# KiCad board ADC_Test.kicad_pcb (continued)
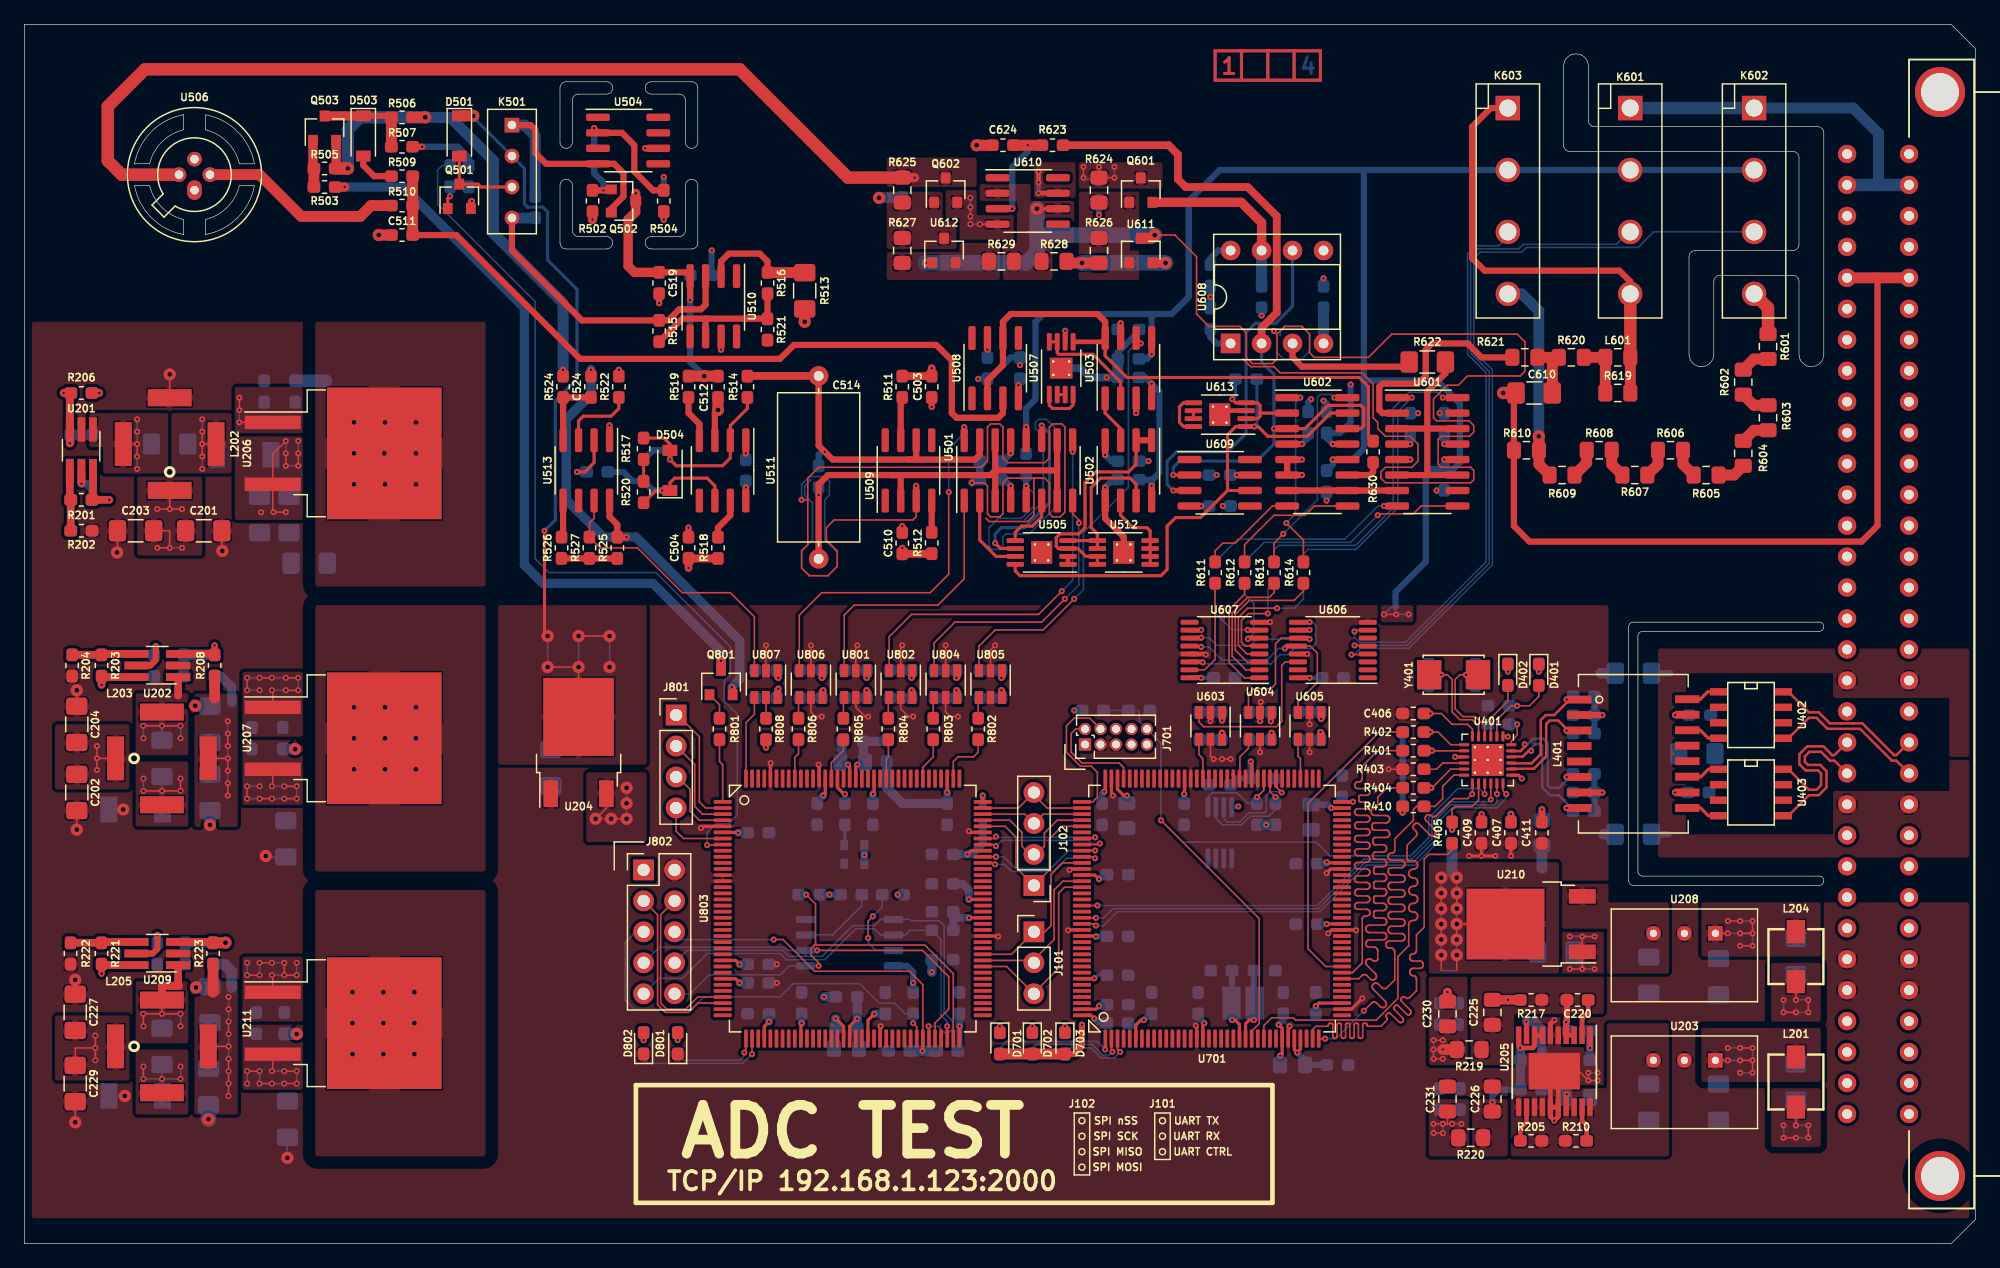
[diagram p0: board, top side]
## Placement (name value [footprint] x y rotation side) (continued)
R409  10k  [R_0603_1608Metric_Pad1.05x0.95mm_HandSolder]  117.07 33.7 90 bottom
R410  1k5  [R_0603_1608Metric_Pad1.05x0.95mm_HandSolder]  113.9 35.86 0 top
R411  10k  [R_0603_1608Metric_Pad1.05x0.95mm_HandSolder]  120.88 44.11 180 bottom
R412  12k1  [R_0603_1608Metric_Pad1.05x0.95mm_HandSolder]  120.88 42.59 0 bottom
R413  270  [R_0603_1608Metric_Pad1.05x0.95mm_HandSolder]  124.18 46.66 270 bottom
R414  270  [R_0603_1608Metric_Pad1.05x0.95mm_HandSolder]  121.64 46.66 270 bottom
R415  49R9  [R_0603_1608Metric_Pad1.05x0.95mm_HandSolder]  127.87 44.88 180 bottom
R416  49R9  [R_0603_1608Metric_Pad1.05x0.95mm_HandSolder]  127.87 41.83 180 bottom
R417  49R9  [R_0603_1608Metric_Pad1.05x0.95mm_HandSolder]  127.87 38.53 180 bottom
R418  49R9  [R_0603_1608Metric_Pad1.05x0.95mm_HandSolder]  127.87 35.48 180 bottom
R419  1M/1kV  [R_1206_3216Metric_Pad1.42x1.75mm_HandSolder]  131.93 46.78 180 bottom
R420  75/1%  [R_0603_1608Metric_Pad1.05x0.95mm_HandSolder]  137.26 37 0 bottom
R421  75/1%  [R_0603_1608Metric_Pad1.05x0.95mm_HandSolder]  137.39 43.35 0 bottom
R501  10k  [R_0603_1608Metric_Pad1.05x0.95mm_HandSolder]  34.9 87.55 90 bottom
R502  4k7/.1%  [R_0603_1608Metric_Pad1.05x0.95mm_HandSolder]  46.59 85.52 270 top
R503  120k  [R_0603_1608Metric_Pad1.05x0.95mm_HandSolder]  24.61 86.66 0 top
R504  4k7/.1%  [R_0603_1608Metric_Pad1.05x0.95mm_HandSolder]  52.43 85.52 90 top
R505  620k  [R_0603_1608Metric_Pad1.05x0.95mm_HandSolder]  24.61 88.18 0 top
R506  0  [R_0603_1608Metric_Pad1.05x0.95mm_HandSolder]  30.97 92.38 180 top
R507  120k  [R_0603_1608Metric_Pad1.05x0.95mm_HandSolder]  30.97 89.96 0 top
R508  0  [R_0603_1608Metric_Pad1.05x0.95mm_HandSolder]  41.89 85.01 90 bottom
R509  12k  [R_0603_1608Metric_Pad1.05x0.95mm_HandSolder]  30.97 87.55 180 top
R510  62/.1%  [R_0603_1608Metric_Pad1.05x0.95mm_HandSolder]  30.97 85.14 180 top
R511  10  [R_0603_1608Metric_Pad1.05x0.95mm_HandSolder]  71.99 70.28 270 top
R512  10  [R_0603_1608Metric_Pad1.05x0.95mm_HandSolder]  74.4 57.46 270 top
R513  6k95/.05%  [R_1206_3216Metric_Pad1.42x1.75mm_HandSolder]  63.99 78.15 270 top
R514  12k/.05%  [R_0603_1608Metric_Pad1.05x0.95mm_HandSolder]  59.29 70.28 90 top
R515  3k01/.1%  [R_0603_1608Metric_Pad1.05x0.95mm_HandSolder]  52.05 74.85 90 top
R516  3k01/.1%  [R_0603_1608Metric_Pad1.05x0.95mm_HandSolder]  60.94 78.79 90 top
R517  62k  [R_0603_1608Metric_Pad1.05x0.95mm_HandSolder]  50.78 65.2 90 top
R518  10  [R_0603_1608Metric_Pad1.05x0.95mm_HandSolder]  56.87 57.07 90 top
R519  10  [R_0603_1608Metric_Pad1.05x0.95mm_HandSolder]  54.46 70.28 90 top
R520  0  [R_0603_1608Metric_Pad1.05x0.95mm_HandSolder]  50.78 61.64 90 top
R521  0  [R_0603_1608Metric_Pad1.05x0.95mm_HandSolder]  60.94 74.98 90 top
R522  620/.05%  [R_0603_1608Metric_Pad1.05x0.95mm_HandSolder]  48.75 70.28 90 top
R523  3k9/.05%  [R_0603_1608Metric_Pad1.05x0.95mm_HandSolder]  46.97 63.29 0 bottom
R524  10  [R_0603_1608Metric_Pad1.05x0.95mm_HandSolder]  44.17 70.28 90 top
R525  62/.1%  [R_0603_1608Metric_Pad1.05x0.95mm_HandSolder]  48.62 57.07 270 top
R526  39k/.05%  [R_0603_1608Metric_Pad1.05x0.95mm_HandSolder]  44.05 57.07 90 top
R527  3k9/.05%  [R_0603_1608Metric_Pad1.05x0.95mm_HandSolder]  46.33 57.07 90 top
R601  1M  [R_0805_2012Metric_Pad1.15x1.40mm_HandSolder]  142.98 73.58 90 top
R602  1M  [R_0805_2012Metric_Pad1.15x1.40mm_HandSolder]  140.95 70.66 90 top
R603  1M  [R_0805_2012Metric_Pad1.15x1.40mm_HandSolder]  142.98 67.74 90 top
R604  1M  [R_0805_2012Metric_Pad1.15x1.40mm_HandSolder]  140.95 64.82 90 top
R605  1M  [R_0805_2012Metric_Pad1.15x1.40mm_HandSolder]  137.9 63.04 0 top
R606  1M  [R_0805_2012Metric_Pad1.15x1.40mm_HandSolder]  134.98 65.07 0 top
R607  1M  [R_0805_2012Metric_Pad1.15x1.40mm_HandSolder]  132.06 63.04 0 top
R608  1M  [R_0805_2012Metric_Pad1.15x1.40mm_HandSolder]  129.14 65.07 0 top
R609  1M  [R_0805_2012Metric_Pad1.15x1.40mm_HandSolder]  126.09 63.04 0 top
R610  1M  [R_0805_2012Metric_Pad1.15x1.40mm_HandSolder]  123.17 65.07 180 top
R611  620  [R_0603_1608Metric_Pad1.05x0.95mm_HandSolder]  97.64 55.04 270 top
R612  620  [R_0603_1608Metric_Pad1.05x0.95mm_HandSolder]  100.05 55.04 270 top
R613  620  [R_0603_1608Metric_Pad1.05x0.95mm_HandSolder]  102.47 55.04 270 top
R614  620  [R_0603_1608Metric_Pad1.05x0.95mm_HandSolder]  104.88 55.04 270 top
R615  620  [R_0603_1608Metric_Pad1.05x0.95mm_HandSolder]  104.88 55.04 270 bottom
R616  620  [R_0603_1608Metric_Pad1.05x0.95mm_HandSolder]  102.47 55.04 270 bottom
R617  620  [R_0603_1608Metric_Pad1.05x0.95mm_HandSolder]  100.05 55.04 270 bottom
R618  620  [R_0603_1608Metric_Pad1.05x0.95mm_HandSolder]  97.64 55.04 270 bottom
R619  620  [R_0805_2012Metric_Pad1.15x1.40mm_HandSolder]  130.66 69.77 0 top
R620  240k/.05%  [R_0805_2012Metric_Pad1.15x1.40mm_HandSolder]  126.85 72.69 0 top
R621  240k/.05%  [R_0805_2012Metric_Pad1.15x1.40mm_HandSolder]  123.04 72.69 0 top
R622  22/.1%  [R_1206_3216Metric_Pad1.42x1.75mm_HandSolder]  115.04 72.31 0 top
R623  12k/.05%  [R_0603_1608Metric_Pad1.05x0.95mm_HandSolder]  84.31 90.09 0 top
R624  12k  [R_0805_2012Metric_Pad1.15x1.40mm_HandSolder]  88.12 86.41 270 top
R625  12k  [R_0805_2012Metric_Pad1.15x1.40mm_HandSolder]  71.99 86.41 90 top
R626  93k  [R_0805_2012Metric_Pad1.15x1.40mm_HandSolder]  88.12 81.45 90 top
R627  39k  [R_0805_2012Metric_Pad1.15x1.40mm_HandSolder]  71.99 81.45 90 top
R628  39k  [R_0805_2012Metric_Pad1.15x1.40mm_HandSolder]  84.43 80.56 180 top
R629  93k  [R_0805_2012Metric_Pad1.15x1.40mm_HandSolder]  80.11 80.56 180 top
R630  620/.05%  [R_0603_1608Metric_Pad1.05x0.95mm_HandSolder]  110.59 64.94 270 top
R701  4k7  [R_0603_1608Metric_Pad1.05x0.95mm_HandSolder]  101.07 35.22 90 bottom
R702  4k7  [R_0603_1608Metric_Pad1.05x0.95mm_HandSolder]  102.59 35.22 90 bottom
R703  10k  [R_0603_1608Metric_Pad1.05x0.95mm_HandSolder]  89.64 22.02 0 bottom
R704  680  [R_0603_1608Metric_Pad1.05x0.95mm_HandSolder]  79.99 16.43 90 bottom
R705  560  [R_0603_1608Metric_Pad1.05x0.95mm_HandSolder]  82.65 16.43 90 bottom
R706  680  [R_0603_1608Metric_Pad1.05x0.95mm_HandSolder]  85.32 16.43 90 bottom
R707  10k  [R_0603_1608Metric_Pad1.05x0.95mm_HandSolder]  87.61 43.73 0 bottom
R801  6k2  [R_0603_1608Metric_Pad1.05x0.95mm_HandSolder]  57 42.21 270 top
R802  150  [R_0603_1608Metric_Pad1.05x0.95mm_HandSolder]  78.21 42.21 90 top
R803  150  [R_0603_1608Metric_Pad1.05x0.95mm_HandSolder]  74.53 42.21 90 top
R804  150  [R_0603_1608Metric_Pad1.05x0.95mm_HandSolder]  70.84 42.21 90 top
R805  150  [R_0603_1608Metric_Pad1.05x0.95mm_HandSolder]  67.16 42.21 90 top
R806  150  [R_0603_1608Metric_Pad1.05x0.95mm_HandSolder]  63.48 42.21 90 top
R807  1k  [R_0603_1608Metric_Pad1.05x0.95mm_HandSolder]  53.57 16.43 90 bottom
R808  1k  [R_0603_1608Metric_Pad1.05x0.95mm_HandSolder]  60.81 42.21 90 top
R809  1k  [R_0603_1608Metric_Pad1.05x0.95mm_HandSolder]  50.78 16.43 90 bottom
R810  100  [R_0603_1608Metric_Pad1.05x0.95mm_HandSolder]  70.72 40.43 270 bottom
R811  22  [R_0603_1608Metric_Pad1.05x0.95mm_HandSolder]  67.29 35.22 270 bottom
R812  4k7  [R_0603_1608Metric_Pad1.05x0.95mm_HandSolder]  75.67 15.79 0 bottom
R813  4k7  [R_0603_1608Metric_Pad1.05x0.95mm_HandSolder]  67.79 28.62 180 bottom
R814  4k7  [R_0603_1608Metric_Pad1.05x0.95mm_HandSolder]  71.22 28.62 0 bottom
R815  OPT  [R_0603_1608Metric_Pad1.05x0.95mm_HandSolder]  71.73 15.79 180 bottom
R816  100  [R_0603_1608Metric_Pad1.05x0.95mm_HandSolder]  67.41 20.24 180 bottom
R817  4k7  [R_0603_1608Metric_Pad1.05x0.95mm_HandSolder]  72.88 19.73 270 bottom
R818  4k7  [R_0603_1608Metric_Pad1.05x0.95mm_HandSolder]  75.29 25.7 180 bottom
R819  4k7  [R_0603_1608Metric_Pad1.05x0.95mm_HandSolder]  64.37 28.62 180 bottom
U201  LT8330_S6  [TSOT-23-6_HandSoldering]  4.68 65.07 270 top
U202  LT8330_S6  [TSOT-23-6_HandSoldering]  10.9 47.42 180 top
U203  TSR1-2490  [TSR1]  136.12 15.03 180 top
U204  LM1117DTX-5.0/NOPB  [TO-252-2]  45.44 41.1 90 top
U205  LT3030  [ETSSOP-20-1EP_4.4x6.5mm_P0.65mm_EP3x4.2mm]  125.45 14.14 270 top
U206  LM317_TO-263  [TO-263-2]  26.14 64.82 0 top
U207  LM337_TO263  [TO-263-2]  26.14 41.45 0 top
U208  TSR1-2450  [TSR1]  136.12 25.45 180 top
U209  LT8330_S6  [TSOT-23-6_HandSoldering]  10.9 23.8 180 top
U210  LM1117DTX-3.3/NOPB  [TO-252-2]  123.55 26.21 180 top
U211  LM337_TO263  [TO-263-2]  26.14 18.08 0 top
U401  LAN8742A  [QFN-24-1EP_4x4mm_P0.5mm_EP2.6x2.6mm_ThermalVias]  119.99 39.67 270 top
U402  LC03-3.3  [SO8E]  141.58 43.35 270 top
U403  LC03-3.3  [SO8E]  141.58 37 270 top
U501  DG211B  [SOIC-16_3.9x9.9mm_P1.27mm]  81.51 63.42 90 top
U502  OPA2192  [SOIC-8_3.9x4.9mm_P1.27mm]  90.53 63.42 270 top
U503  DG419xY  [SOIC-8_3.9x4.9mm_P1.27mm]  90.53 71.8 90 top
U504  LT1021-7  [SOIC-8_3.9x4.9mm_P1.27mm]  49.51 90.47 0 top
U505  LT5400-100k-100k  [MSOP-8-1EP_3x3mm_P0.65mm_EP1.73x1.85mm_ThermalVias]  83.42 56.69 180 top
U506  LM399H  [LMx99]  13.95 87.68 90 top
U507  LT5400-5k-1k  [MSOP-8-1EP_3x3mm_P0.65mm_EP1.73x1.85mm_ThermalVias]  85.02 71.8 90 top
U508  OPA177  [SOIC-8_3.9x4.9mm_P1.27mm]  79.61 71.8 90 top
U509  OPA140  [SOIC-8_3.9x4.9mm_P1.27mm]  72.49 63.42 90 top
U510  OPA177  [SOIC-8_3.9x4.9mm_P1.27mm]  56.49 76.88 270 top
U511  OPA192  [SOIC-8_3.9x4.9mm_P1.27mm]  57.25 63.42 270 top
U512  LT5400-10k-10k  [MSOP-8-1EP_3x3mm_P0.65mm_EP1.73x1.85mm_ThermalVias]  90.15 56.69 0 top
U513  LM311  [SOIC-8_3.9x4.9mm_P1.27mm]  46.08 63.42 270 top
U601  DG211B  [SOIC-16_3.9x9.9mm_P1.27mm]  115.04 64.94 0 top
U602  DG211B  [SOIC-16_3.9x9.9mm_P1.27mm]  106.02 64.94 0 top
U603  SN74LVC1T45DBV  [SOT-23-6]  97.26 42.46 270 top
U604  SN74LVC1T45DBV  [SOT-23-6]  101.32 42.46 270 top
U605  SN74LVC1T45DBV  [SOT-23-6]  105.39 42.46 270 top
U606  74HCT595  [TSSOP-16_4.4x5mm_P0.65mm]  107.29 48.69 180 top
U607  74HCT595  [TSSOP-16_4.4x5mm_P0.65mm]  98.4 48.69 180 top
U608  LTC1052  [DIP-8_W7.62mm_Socket]  98.91 73.83 90 top
U609  AD711  [SOIC-8_3.9x4.9mm_P1.27mm]  98.02 62.4 0 top
U610  AD711  [SOIC-8_3.9x4.9mm_P1.27mm]  82.27 85.52 0 top
U611  TL431DBZ  [SOT-23]  91.54 81.45 90 top
U612  TL431DBZ  [SOT-23]  75.41 81.45 90 top
U613  LT5400-9k-1k  [MSOP-8-1EP_3x3mm_P0.65mm_EP1.73x1.85mm_ThermalVias]  98.02 67.99 180 top
U701  STM32H743ZI/STM32F765ZGT6  [TQFP-144_20x20mm_P0.5mm]  97.39 27.48 90 top
U702  24LC08B-E/MS  [MSOP-8_3x3mm_P0.65mm]  98.02 33.7 90 bottom
U801  SN74LVC1T45DBV  [SOT-23-6]  68.18 45.89 270 top
U802  SN74LVC1T45DBV  [SOT-23-6]  71.86 45.89 270 top
U803  ICE40HX4K-TQ144  [TQFP-144_20x20mm_P0.5mm]  67.92 27.48 0 top
U804  SN74LVC1T45DBV  [SOT-23-6]  75.54 45.89 270 top
U805  SN74LVC1T45DBV  [SOT-23-6]  79.22 45.89 270 top
U806  SN74LVC1T45DBV  [SOT-23-6]  64.49 45.89 270 top
U807  SN74LVC1T45DBV  [SOT-23-6]  60.81 45.89 270 top
U808  ASDMB-100.000MHZ  [Oscillator_SMD_Abracon_ASDMB-4Pin_2.5x2.0mm]  68.05 31.92 180 bottom
U809  MT25QL128ABA1ESE  [SOIC-8_5.23x5.23mm_P1.27mm]  67.67 24.68 0 bottom
Y401  NX5032GA-25.000M-LN-CD-1  [NX5032GA]  117.2 46.66 180 top
Y701  NX3225GD-8MHZ-STD-CRA-3  [NX3225GD]  99.93 19.73 0 bottom

## Footprints (pads in the part's own frame, mm; a bottom-side part is the same pattern mirrored in y, then rotated)
9012
  rect 1.2x1.2 hole 0.7: 1(-3.81,0)
  round 1.2 hole 0.7: 2(-1.27,0) 3(1.27,0) 4(3.81,0)
749010012A
  rect 2x0.64 smd: 1(-4.43,4.445) 2(-4.43,3.175) 3(-4.43,1.905) 4(-4.43,0.635) 5(-4.43,-0.635) 6(-4.43,-1.905) 7(-4.43,-3.175) 8(-4.432,-4.445) 9(4.43,-4.445) 10(4.43,-3.175) 11(4.43,-1.88) 12(4.43,-0.61) 13(4.43,0.66) 14(4.43,1.93) 15(4.43,3.2) 16(4.43,4.47)
74489440068
  rect 3.6x1.4 smd: 1(0,3.8) 3(0,-3.8)
  rect 1.4x3.6 smd: 2(-3.8,0) 4(3.8,0)
C_0603_1608Metric_Pad1.05x0.95mm_HandSolder
  rrect 1.05x0.95 smd: 1(-0.875,0) 2(0.875,0)
C_0805_2012Metric_Pad1.15x1.40mm_HandSolder
  rrect 1.15x1.4 smd: 1(-1.025,0) 2(1.025,0)
C_1206_3216Metric_Pad1.42x1.75mm_HandSolder
  rrect 1.425x1.75 smd: 1(-1.488,0) 2(1.488,0)
C_Axial_L12.0mm_D6.5mm_P15.00mm_Horizontal
  round 1.6 hole 0.8: 1(0,0)
  oval 1.6x1.6 hole 0.8: 2(15,0)
D_SOD-123
  rect 0.9x1.2 smd: 1(-1.65,0) 2(1.65,0)
D_SOD-128
  rect 1.4x2.1 smd: 1(-2.2,0) 2(2.2,0)
D_SOD-523
  rect 0.6x0.7 smd: 1(-0.7,0) 2(0.7,0)
DIP-8_W7.62mm_Socket
  rect 1.6x1.6 hole 0.8: 1(0,0)
  oval 1.6x1.6 hole 0.8: 2(0,-2.54) 3(0,-5.08) 4(0,-7.62) 5(7.62,-7.62) 6(7.62,-5.08) 7(7.62,-2.54) 8(7.62,0)
ETSSOP-20-1EP_4.4x6.5mm_P0.65mm_EP3x4.2mm
  rect 1.2x1.14 smd: (-0.75,1.4) (-0.75,0) (-0.75,-1.4) (0.75,1.4) (0.75,0) (0.75,-1.4)
  rect 1.45x0.45 smd: 1(-2.95,2.925) 2(-2.95,2.275) 3(-2.95,1.625) 4(-2.95,0.975) 5(-2.95,0.325) 6(-2.95,-0.325) 7(-2.95,-0.975) 8(-2.95,-1.625) 9(-2.95,-2.275) 10(-2.95,-2.925) 11(2.95,-2.925) 12(2.95,-2.275) 13(2.95,-1.625) 14(2.95,-0.975) 15(2.95,-0.325) 16(2.95,0.325) 17(2.95,0.975) 18(2.95,1.625) 19(2.95,2.275) 20(2.95,2.925)
  rect 3x4.2 smd: 21(0,0)
HE360_x-5050462-8
  rect 2x2 hole 1.4: 1(-7.62,0)
  round 2 hole 1.4: 2(-2.54,0) 3(2.54,0) 4(7.62,0)
L_0805_2012Metric_Pad1.15x1.40mm_HandSolder
  rrect 1.15x1.4 smd: 1(-1.025,0) 2(1.025,0)
LED_0603_1608Metric_Pad1.05x0.95mm_HandSolder
  rrect 1.05x0.95 smd: 1(-0.875,0) 2(0.875,0)
LMx99
  oval 1.6x1.2 hole 0.7: 1(-1.27,0)
  oval 1.2x1.2 hole 0.7: 2(0,-1.27) 3(1.27,0) 4(0,1.27)
MSOP-8-1EP_3x3mm_P0.65mm_EP1.73x1.85mm_ThermalVias
  rrect 0.72x0.77 smd: (-0.43,0.46) (-0.43,-0.46) (0.43,0.46) (0.43,-0.46)
  rrect 1.425x0.4 smd: 1(-2.163,0.975) 2(-2.163,0.325) 3(-2.163,-0.325) 4(-2.163,-0.975) 5(2.163,-0.975) 6(2.163,-0.325) 7(2.163,0.325) 8(2.163,0.975)
  round 0.5 hole 0.2: 9(-0.55,0.65) 9(-0.55,-0.65) 9(0.55,0.65) 9(0.55,-0.65)
  rect 1.6x1.8 smd far side: 9(0,0)
  rect 1.73x1.85 smd: 9(0,0)
MSOP-8_3x3mm_P0.65mm
  rrect 1.625x0.4 smd: 1(-2.112,0.975) 2(-2.112,0.325) 3(-2.112,-0.325) 4(-2.112,-0.975) 5(2.112,-0.975) 6(2.112,-0.325) 7(2.112,0.325) 8(2.112,0.975)
NX3225GD
  rect 1.5x2.7 smd: 1(-0.95,0) 2(0.95,0)
NX5032GA
  rect 2x2.4 smd: 1(-2,0) 2(2,0)
Oscillator_SMD_Abracon_ASDMB-4Pin_2.5x2.0mm
  rect 0.65x0.85 smd: 1(-0.825,-0.775) 2(0.825,-0.775) 3(0.825,0.775) 4(-0.825,0.775)
PinHeader_1x03_P2.54mm_Vertical
  rect 1.7x1.7 hole 1: 1(0,0)
  oval 1.7x1.7 hole 1: 2(0,-2.54) 3(0,-5.08)
PinHeader_1x04_P2.54mm_Vertical
  rect 1.7x1.7 hole 1: 1(0,0)
  oval 1.7x1.7 hole 1: 2(0,-2.54) 3(0,-5.08) 4(0,-7.62)
PinHeader_2x05_P1.27mm_Vertical
  rect 1x1 hole 0.65: 1(0,0)
  oval 1x1 hole 0.65: 2(1.27,0) 3(0,-1.27) 4(1.27,-1.27) 5(0,-2.54) 6(1.27,-2.54) 7(0,-3.81) 8(1.27,-3.81) 9(0,-5.08) 10(1.27,-5.08)
PinHeader_2x05_P2.54mm_Vertical
  rect 1.7x1.7 hole 1: 1(0,0)
  oval 1.7x1.7 hole 1: 2(2.54,0) 3(0,-2.54) 4(2.54,-2.54) 5(0,-5.08) 6(2.54,-5.08) 7(0,-7.62) 8(2.54,-7.62) 9(0,-10.16) 10(2.54,-10.16)
QFN-24-1EP_4x4mm_P0.5mm_EP2.6x2.6mm_ThermalVias
  rrect 1.13x1.13 smd: (-0.65,0.65) (-0.65,-0.65) (0.65,0.65) (0.65,-0.65)
  rrect 0.825x0.25 smd: 1(-1.938,1.25) 2(-1.938,0.75) 3(-1.938,0.25) 4(-1.938,-0.25) 5(-1.938,-0.75) 6(-1.938,-1.25) 13(1.938,-1.25) 14(1.938,-0.75) 15(1.938,-0.25) 16(1.938,0.25) 17(1.938,0.75) 18(1.938,1.25)
  rrect 0.25x0.825 smd: 7(-1.25,-1.938) 8(-0.75,-1.938) 9(-0.25,-1.938) 10(0.25,-1.938) 11(0.75,-1.938) 12(1.25,-1.938) 19(1.25,1.938) 20(0.75,1.938) 21(0.25,1.938) 22(-0.25,1.938) 23(-0.75,1.938) 24(-1.25,1.938)
  round 0.5 hole 0.2: 25(-1.05,1.05) 25(-1.05,0) 25(-1.05,-1.05) 25(0,1.05) 25(0,0) 25(0,-1.05) 25(1.05,1.05) 25(1.05,0) 25(1.05,-1.05)
  rect 2.6x2.6 smd: 25(0,0)
  rect 2.6x2.6 smd far side: 25(0,0)
R_0603_1608Metric_Pad1.05x0.95mm_HandSolder
  rrect 1.05x0.95 smd: 1(-0.875,0) 2(0.875,0)
R_0805_2012Metric_Pad1.15x1.40mm_HandSolder
  rrect 1.15x1.4 smd: 1(-1.025,0) 2(1.025,0)
R_1206_3216Metric_Pad1.42x1.75mm_HandSolder
  rrect 1.425x1.75 smd: 1(-1.488,0) 2(1.488,0)
SO8E
  rect 0.599x1.4 smd: 1(-1.905,-2.667) 2(-0.635,-2.667) 3(0.635,-2.667) 4(1.905,-2.667) 5(1.905,2.667) 6(0.635,2.667) 7(-0.635,2.667) 8(-1.905,2.667)
Socket_DIN41612-CaseC1-AC-Male-64Pin-2rows
  round 4.1 hole 3.1: 1(-44.45,-5.08) 1(44.45,-5.08)
  round 1.501 hole 0.8: A1(39.37,2.54) A2(36.83,2.54) A3(34.29,2.54) A4(31.75,2.54) A5(29.21,2.54) A6(26.67,2.54) A7(24.13,2.54) A8(21.59,2.54) A9(19.05,2.54) A10(16.51,2.54) A11(13.97,2.54) A12(11.43,2.54) A13(8.89,2.54) A14(6.35,2.54) A15(3.81,2.54) A16(1.27,2.54) A17(-1.27,2.54) A18(-3.81,2.54) A19(-6.35,2.54) A20(-8.89,2.54) A21(-11.43,2.54) A22(-13.97,2.54) A23(-16.51,2.54) A24(-19.05,2.54) A25(-21.59,2.54) A26(-24.13,2.54) A27(-26.67,2.54) A28(-29.21,2.54) A29(-31.75,2.54) A30(-34.29,2.54) A31(-36.83,2.54) A32(-39.37,2.54) C1(39.37,-2.54) C2(36.83,-2.54) C3(34.29,-2.54) C4(31.75,-2.54) C5(29.21,-2.54) C6(26.67,-2.54) C7(24.13,-2.54) C8(21.59,-2.54) C9(19.05,-2.54) C10(16.51,-2.54) C11(13.97,-2.54) C12(11.43,-2.54) C13(8.89,-2.54) C14(6.35,-2.54) C15(3.81,-2.54) C16(1.27,-2.54) C17(-1.27,-2.54) C18(-3.81,-2.54) C19(-6.35,-2.54) C20(-8.89,-2.54) C21(-11.43,-2.54) C22(-13.97,-2.54) C23(-16.51,-2.54) C24(-19.05,-2.54) C25(-21.59,-2.54) C26(-24.13,-2.54) C27(-26.67,-2.54) C28(-29.21,-2.54) C29(-31.75,-2.54) C30(-34.29,-2.54) C31(-36.83,-2.54) C32(-39.37,-2.54)
SOIC-8_3.9x4.9mm_P1.27mm
  rrect 1.95x0.6 smd: 1(-2.475,1.905) 2(-2.475,0.635) 3(-2.475,-0.635) 4(-2.475,-1.905) 5(2.475,-1.905) 6(2.475,-0.635) 7(2.475,0.635) 8(2.475,1.905)
SOIC-8_5.23x5.23mm_P1.27mm
  rrect 1.6x0.6 smd: 1(-3.6,1.905) 2(-3.6,0.635) 3(-3.6,-0.635) 4(-3.6,-1.905) 5(3.6,-1.905) 6(3.6,-0.635) 7(3.6,0.635) 8(3.6,1.905)
SOIC-16_3.9x9.9mm_P1.27mm
  rrect 1.95x0.6 smd: 1(-2.475,4.445) 2(-2.475,3.175) 3(-2.475,1.905) 4(-2.475,0.635) 5(-2.475,-0.635) 6(-2.475,-1.905) 7(-2.475,-3.175) 8(-2.475,-4.445) 9(2.475,-4.445) 10(2.475,-3.175) 11(2.475,-1.905) 12(2.475,-0.635) 13(2.475,0.635) 14(2.475,1.905) 15(2.475,3.175) 16(2.475,4.445)
SOT-23
  rect 0.9x0.8 smd: 1(-1,0.95) 2(-1,-0.95) 3(1,0)
SOT-23-6
  rect 1.06x0.65 smd: 1(-1.1,0.95) 2(-1.1,0) 3(-1.1,-0.95) 4(1.1,-0.95) 5(1.1,0) 6(1.1,0.95)
TCK-141
  rect 1.9x1.5 smd: 1(-2.05,0) 2(2.05,0)
TO-252-2
  rect 3.05x2.75 smd: (0.425,1.525) (0.425,-1.525) (3.775,1.525) (3.775,-1.525)
  rect 2.2x1.2 smd: 1(-4.2,2.28) 3(-4.2,-2.28)
  rect 6.4x5.8 smd: 2(2.1,0)
TO-263-2
  rect 4.55x5.25 smd: (0.95,2.775) (0.95,-2.775) (5.8,2.775) (5.8,-2.775)
  rect 4.6x1.1 smd: 1(-5.775,2.54) 3(-5.775,-2.54)
  rect 9.4x10.8 smd: 2(3.375,0)
TQFP-144_20x20mm_P0.5mm
  rrect 1.475x0.3 smd: 1(-10.662,8.75) 2(-10.662,8.25) 3(-10.662,7.75) 4(-10.662,7.25) 5(-10.662,6.75) 6(-10.662,6.25) 7(-10.662,5.75) 8(-10.662,5.25) 9(-10.662,4.75) 10(-10.662,4.25) 11(-10.662,3.75) 12(-10.662,3.25) 13(-10.662,2.75) 14(-10.662,2.25) 15(-10.662,1.75) 16(-10.662,1.25) 17(-10.662,0.75) 18(-10.662,0.25) 19(-10.662,-0.25) 20(-10.662,-0.75) 21(-10.662,-1.25) 22(-10.662,-1.75) 23(-10.662,-2.25) 24(-10.662,-2.75) 25(-10.662,-3.25) 26(-10.662,-3.75) 27(-10.662,-4.25) 28(-10.662,-4.75) 29(-10.662,-5.25) 30(-10.662,-5.75) 31(-10.662,-6.25) 32(-10.662,-6.75) 33(-10.662,-7.25) 34(-10.662,-7.75) 35(-10.662,-8.25) 36(-10.662,-8.75) 73(10.662,-8.75) 74(10.662,-8.25) 75(10.662,-7.75) 76(10.662,-7.25) 77(10.662,-6.75) 78(10.662,-6.25) 79(10.662,-5.75) 80(10.662,-5.25) 81(10.662,-4.75) 82(10.662,-4.25) 83(10.662,-3.75) 84(10.662,-3.25) 85(10.662,-2.75) 86(10.662,-2.25) 87(10.662,-1.75) 88(10.662,-1.25) 89(10.662,-0.75) 90(10.662,-0.25) 91(10.662,0.25) 92(10.662,0.75) 93(10.662,1.25) 94(10.662,1.75) 95(10.662,2.25) 96(10.662,2.75) 97(10.662,3.25) 98(10.662,3.75) 99(10.662,4.25) 100(10.662,4.75) 101(10.662,5.25) 102(10.662,5.75) 103(10.662,6.25) 104(10.662,6.75) 105(10.662,7.25) 106(10.662,7.75) 107(10.662,8.25) 108(10.662,8.75)
  rrect 0.3x1.475 smd: 37(-8.75,-10.662) 38(-8.25,-10.662) 39(-7.75,-10.662) 40(-7.25,-10.662) 41(-6.75,-10.662) 42(-6.25,-10.662) 43(-5.75,-10.662) 44(-5.25,-10.662) 45(-4.75,-10.662) 46(-4.25,-10.662) 47(-3.75,-10.662) 48(-3.25,-10.662) 49(-2.75,-10.662) 50(-2.25,-10.662) 51(-1.75,-10.662) 52(-1.25,-10.662) 53(-0.75,-10.662) 54(-0.25,-10.662) 55(0.25,-10.662) 56(0.75,-10.662) 57(1.25,-10.662) 58(1.75,-10.662) 59(2.25,-10.662) 60(2.75,-10.662) 61(3.25,-10.662) 62(3.75,-10.662) 63(4.25,-10.662) 64(4.75,-10.662) 65(5.25,-10.662) 66(5.75,-10.662) 67(6.25,-10.662) 68(6.75,-10.662) 69(7.25,-10.662) 70(7.75,-10.662) 71(8.25,-10.662) 72(8.75,-10.662) 109(8.75,10.662) 110(8.25,10.662) 111(7.75,10.662) 112(7.25,10.662) 113(6.75,10.662) 114(6.25,10.662) 115(5.75,10.662) 116(5.25,10.662) 117(4.75,10.662) 118(4.25,10.662) 119(3.75,10.662) 120(3.25,10.662) 121(2.75,10.662) 122(2.25,10.662) 123(1.75,10.662) 124(1.25,10.662) 125(0.75,10.662) 126(0.25,10.662) 127(-0.25,10.662) 128(-0.75,10.662) 129(-1.25,10.662) 130(-1.75,10.662) 131(-2.25,10.662) 132(-2.75,10.662) 133(-3.25,10.662) 134(-3.75,10.662) 135(-4.25,10.662) 136(-4.75,10.662) 137(-5.25,10.662) 138(-5.75,10.662) 139(-6.25,10.662) 140(-6.75,10.662) 141(-7.25,10.662) 142(-7.75,10.662) 143(-8.25,10.662) 144(-8.75,10.662)
TSOT-23-6_HandSoldering
  rect 2x0.65 smd: 1(-1.71,0.95) 2(-1.71,0) 3(-1.71,-0.95) 4(1.71,-0.95) 5(1.71,0) 6(1.71,0.95)
TSR1
  rect 1.2x1.2 hole 0.6: 1(-2.54,0)
  round 1.2 hole 0.6: 2(0,0) 3(2.54,0)
TSSOP-16_4.4x5mm_P0.65mm
  rrect 1.475x0.4 smd: 1(-2.862,2.275) 2(-2.862,1.625) 3(-2.862,0.975) 4(-2.862,0.325) 5(-2.862,-0.325) 6(-2.862,-0.975) 7(-2.862,-1.625) 8(-2.862,-2.275) 9(2.862,-2.275) 10(2.862,-1.625) 11(2.862,-0.975) 12(2.862,-0.325) 13(2.862,0.325) 14(2.862,0.975) 15(2.862,1.625) 16(2.862,2.275)

## Nets
+1V2: C231.1 C233.1 C237.1 C240.1 C821.1 C822.1 C824.1 C826.1 R220.1 R810.2 R816.2 U803.27 U803.40 U803.92 U803.111
+3.3VF: C241.1 C402.1 C405.1 C606.1 C608.1 C611.1 C701.1 C702.1 C703.1 C705.1 C708.1 C710.1 C711.1 C712.1 C713.1 C714.1 C715.1 C716.1 C717.1 C718.1 C719.1 D701.2 D702.2 D703.2 FB401.2 FB701.2 J701.1 R406.1 R407.1 R408.1 R409.1 R410.1 R701.1 R702.1 R707.1 U210.2 U401.9 U603.6 U604.6 U605.6 U701.6 U701.17 U701.30 U701.39 U701.52 U701.62 U701.72 U701.84 U701.95 U701.108 U701.121 U701.131 U701.143 U701.144 U702.8
+3.3VP: C230.1 C232.1 C236.1 C239.1 C524.1 C807.1 C808.1 C809.1 C810.1 C811.1 C812.1 C813.1 C814.1 C815.1 C816.1 C817.1 C818.1 C819.1 C820.1 C823.1 C825.1 D803.2 Q801.2 R219.1 R525.1 R812.2 R813.2 R814.2 R817.1 R818.1 R819.1 U513.8 U801.6 U802.6 U803.6 U803.30 U803.46 U803.57 U803.72 U803.89 U803.100 U803.123 U803.131 U804.6 U805.6 U806.6 U807.6 U808.1 U808.4 U809.8
+5VF: C213.1 C520.1 C523.1 C603.1 C605.1 C607.1 C609.1 C612.1 C613.1 C614.1 C801.1 C802.1 C803.1 C804.1 C805.1 C806.1 D501.1 K501.2 K601.2 K602.2 K603.2 R808.1 U204.2 U501.12 U503.5 U601.12 U602.12 U603.1 U604.1 U605.1 U606.10 U606.16 U607.10 U607.16 U801.1 U802.1 U804.1 U805.1 U806.1 U807.1
+18VF: C222.1 C502.1 C503.1 C504.1 C505.1 C506.1 C507.1 C508.1 C615.1 C616.1 C618.1 C619.1 Q601.3 R213.1 R504.1 R511.1 R518.1 R624.1 U206.2 U501.13 U502.8 U503.4 U506.3 U508.7 U601.13 U602.13 U609.7
+24VF: C201.1 C202.1 C203.1 C204.1 C205.1 C224.1 C227.1 C229.1 J301.A31 J301.A32 J301.C31 J301.C32 L201.1 L202.1 L203.1 L204.1 L205.1 R201.1 R203.1 R221.1 U201.6 U202.6 U209.6
-14VF: C245.1 C509.1 C510.1 C512.1 C513.1 C516.1 C517.1 C518.1 C519.1 C621.1 C622.1 C623.1 Q502.3 Q503.2 R226.1 R502.2 R505.2 R506.1 R512.2 R519.2 R524.2 U211.3 U501.4 U502.4 U503.7 U508.4 U510.4 U601.4 U602.4 U609.4
-18VF: C223.1 C604.1 Q602.3 R214.1 R625.2 U207.3 U506.4
/FPGA/GNDPLL0: C829.2 C830.2 U803.53
/FPGA/GNDPLL1: C827.2 C828.2 U803.127
/FPGA/VCCPLL0: C829.1 C830.1 R816.1 U803.54
/FPGA/VCCPLL1: C827.1 C828.1 R810.1 U803.126
AGNDF: C201.2 C202.2 C203.2 C204.2 C205.2 C206.2 C207.2 C208.2 C211.2 C212.2 C213.2 C216.2 C217.2 C218.2 C219.2 C222.2 C223.2 C224.2 C225.2 C226.2 C227.2 C228.2 C229.2 C230.2 C231.2 C232.2 C233.2 C234.2 C235.2 C236.2 C237.2 C239.2 C240.2 C241.2 C243.2 C244.2 C245.2 C401.2 C402.2 C403.2 C404.2 C405.2 C406.2 C407.2 C408.2 C409.2 C410.2 C411.2 C412.2 C413.2 C501.1 C502.2 C503.2 C504.2 C505.2 C506.2 C507.2 C508.2 C509.2 C510.2 C511.2 C512.2 C513.2 C516.2 C517.2 C518.2 C519.2 C520.2 C523.2 C601.2 C602.2 C603.2 C604.2 C605.2 C606.2 C607.2 C608.2 C609.2 C610.1 C611.2 C612.2 C613.2 C614.2 C615.2 C616.2 C618.2 C619.2 C621.2 C622.2 C623.2 C624.2 C701.2 C702.2 C703.2 C704.2 C705.2 C706.2 C707.2 C708.2 C709.2 C710.2 C711.2 C712.2 C713.2 C714.2 C715.2 C716.2 C717.2 C718.2 C719.2 C720.2 C721.2 C801.2 C802.2 C803.2 C804.2 C805.2 C806.2 C807.2 C808.2 C809.2 C810.2 C811.2 C812.2 C813.2 C814.2 C815.2 C816.2 C817.2 C818.2 C819.2 C820.2 C821.2 C822.2 C823.2 C824.2 C825.2 C826.2 D201.1 D203.1 D801.1 D802.1 J301.A5 J301.A27 J301.A28 J301.C5 J301.C27 J301.C28 J701.3 J701.5 J802.2 L202.3 Q501.2 R202.2 R204.2 R207.2 R209.2 R211.2 R212.2 R216.1 R217.2 R218.2 R222.2 R224.2 R225.2 R403.2 R411.2 R412.1 R413.2 R414.2 R419.2 R507.2 R513.2 R522.2 R610.2 R703.2 R815.2 U201.2 U202.2 U203.2 U204.1 U205.5 U205.6 U205.15 U205.16 U205.21 U208.2 U209.2 U210.1 U401.25 U501.5 U502.5 U503.3 U504.6 U505.9 U506.1 U507.6 U507.9 U509.3 U510.7 U511.3 U512.9 U513.1 U601.5 U602.5 U602.6 U603.2 U603.5 U604.2 U604.5 U605.2 U605.5 U606.8 U606.13 U607.8 U607.13 U613.3 U613.9 U701.16 U701.31 U701.38 U701.51 U701.61 U701.83 U701.94 U701.107 U701.120 U701.130 U702.1 U702.2 U702.3 U702.4 U801.2 U801.5 U802.2 U802.5 U803.5 U803.13 U803.14 U803.59 U803.69 U803.86 U803.103 U803.132 U803.140 U804.2 U804.5 U805.2 U805.5 U806.2 U806.5 U807.2 U808.2 U809.4
VCC: C602.1 Q601.2 U608.7 U610.7
VCCQ: C407.1 C408.1 C409.1 C410.1 C411.1 C412.1 FB401.1 L401.2 L401.7 R415.1 R416.1 R417.1 R418.1 U401.1 U401.19
VDD: C601.1 C617.2 C620.2 Q602.2 U608.4 U610.4
/ADC/ADIN: C625.2 U505.8 U602.15 U609.6 U613.1
/ADC/FGPA_AD_ID: U501.16 U806.3
/ADC/FGPA_AD_IIN: U501.1 U801.3
/ADC/FGPA_AD_IRN: U501.8 U804.3
/ADC/FGPA_AD_IRP: U501.9 U802.3
/ADC/FPGA_AD_RFS: Q801.3 R503.2
/ADC/FPGA_AD_RFS_OPT: R501.2 U803.8
/ADC/VREF+: U502.7 U505.4 U512.1 U512.2
/ADC/VREF-: U502.1 U502.2 U505.3 U512.3 U512.4
/ADC/VREF_-7V: R630.1 U503.8 U507.5 U508.2 U508.6
/Connector/RX+: J301.A20 U403.8
/Connector/RX-: J301.A21 U403.5
/Connector/TX+: J301.C20 U402.8
/Connector/TX-: J301.C21 U402.5
/Connector/V_HIGH: J301.A2 J301.C2 K601.1 K602.1
/Ethernet/ETH_RXN: L401.8 R418.2 U401.22
/Ethernet/ETH_RXP: L401.6 R417.2 U401.23
/Ethernet/ETH_TXN: L401.3 R416.2 U401.20
/Ethernet/ETH_TXP: L401.1 R415.2 U401.21
/Ethernet/MODE0: R401.1 R406.2 U401.8
/Ethernet/MODE1: R402.1 R407.2 U401.7
/Ethernet/MODE2: R404.1 R408.2 U401.11
/Ethernet/NRST: C721.1 J701.10 R707.2 U401.15 U701.25
/Ethernet/REF_CLK: R405.2 U701.35
/Ethernet/REFCLK0: R405.1 R409.2 U401.14
/Ethernet/RMII_CRS_DV: R404.2 U701.43
/Ethernet/RMII_MDC: U401.13 U701.27
/Ethernet/RMII_MDIO: R410.2 U401.12 U701.36
/Ethernet/RMII_RXD0: R401.2 U701.44
/Ethernet/RMII_RXD1: R402.2 U701.45
/Ethernet/RMII_TXD0: U401.17 U701.128
/Ethernet/RMII_TXD1: U401.18 U701.129
/Ethernet/RMII_TXEN: U401.16 U701.126
/FPGA/100MHZ: R811.1 U803.129
/FPGA/AD_ID: R806.2 U806.4
/FPGA/AD_IIN: R805.2 U801.4
/FPGA/AD_IRN: R803.2 U804.4
/FPGA/AD_IRP: R804.2 U802.4
/FPGA/AD_VRH: R802.2 U805.4
/FPGA/ADC_COMP: R527.2 U513.7 U807.3
/FPGA/COMP: U803.144 U807.4
/FPGA/FGPA_AD_VRH: U503.6 U805.3
/FPGA/FPGA_IO1: U701.117 U803.99
/FPGA/FPGA_IO2: U701.118 U803.98
/FPGA/FPGA_IO3: U701.115 U803.102
/FPGA/FPGA_IO4: U701.116 U803.101
/FPGA/FPGA_SPI3_MISO: J102.2 U701.112 U803.105
/FPGA/FPGA_SPI3_MOSI: J102.1 U701.113 U803.104
/FPGA/FPGA_SPI3_NSS: J102.4 U701.110 U803.107
/FPGA/FPGA_SPI3_SCK: J102.3 U701.111 U803.106
/FPGA/FPGA_UART2_CTRL_TTL: J101.3 U701.123 U803.81
/FPGA/FPGA_UART2_RX_TTL: J101.2 U701.122 U803.82
/FPGA/FPGA_UART2_TX_TTL: J101.1 U701.119 U803.83
/FPGA/iCE_CDONE: J802.5 R817.2 U803.65
/FPGA/iCE_CRESET: J802.6 R812.1 R815.1 U803.66
/FPGA/iCE_MISO: J802.8 U803.67 U809.5
/FPGA/iCE_MOSI: J802.7 U803.68 U809.2
/FPGA/iCE_Rx_TTL: J802.3 U803.34
/FPGA/iCE_SCK: J802.9 R818.2 U803.70 U809.6
/FPGA/iCE_SS_B: J802.10 R819.2 U803.71 U809.1
/FPGA/iCE_Tx_TTL: J802.4 U803.33
/Input/K1_CTR: K601.3 U606.5
/Input/K2_CTR: K602.3 U606.4
/Input/K4_CTR: K603.3 U606.7
/Input/M1_1: R615.1 U601.1
/Input/M1_2: R616.1 U601.16
/Input/M1_3: R617.1 U601.9
/Input/M1_4: R618.1 U601.8
/Input/M2_1: R614.1 U602.1
/Input/M2_2: R613.1 U602.16
/Input/M2_3: R612.1 U602.9
/Input/M2_4: R611.1 U602.8
/Input/SR_CLK: U604.4 U701.86
/Input/SR_DAT: U603.4 U701.92
/Input/SR_LAT: U605.4 U701.76
/MCU/EEPROM_SCL: R702.2 U701.81 U702.6
/MCU/EEPROM_SDA: R701.2 U701.82 U702.5
/MCU/EEPROM_WP: U701.80 U702.7
/MCU/MCU_VDDA: C720.1 FB701.1 U701.32 U701.33
/MCU/TCK_SWCLK: J701.4 U701.109
/MCU/TMS_SWDIO: J701.2 U701.105
Earth: C413.1 C414.2 J301.A18 J301.A22 J301.C18 J301.C22 R419.1
Net-(C206-Pad1): C206.1 L201.2 U203.1
Net-(C207-Pad1): C207.1 U201.5
Net-(C208-Pad1): C208.1 U202.5
Net-(C209-Pad1): C209.1 D202.2 L202.2
Net-(C209-Pad2): C209.2 L202.4 U201.1
Net-(C210-Pad1): C210.1 D201.2 L203.2
Net-(C210-Pad2): C210.2 L203.4 U202.1
Net-(C211-Pad1): C211.1 C212.1 R205.1 R210.1 U203.3 U204.3 U205.11 U205.13 U205.14 U205.17 U205.18 U205.20
Net-(C214-Pad1): C214.1 C216.1 C218.1 D202.1 R206.1 U206.3
Net-(C214-Pad2): C214.2 R206.2 R207.1 U201.3
Net-(C215-Pad1): C215.1 C217.1 C219.1 L203.3 R208.1 U207.2
Net-(C215-Pad2): C215.2 R208.2 R209.1 U202.3
Net-(C220-Pad1): C220.1 C225.1 R215.1 R217.1 R219.2 U205.3 U205.4
Net-(C220-Pad2): C220.2 U205.2
Net-(C221-Pad1): C221.1 C226.1 R218.1 R220.2 U205.7 U205.8 U205.10
Net-(C221-Pad2): C221.2 U205.9
Net-(C228-Pad1): C228.1 L204.2 U208.1
Net-(C234-Pad1): C234.1 U208.3 U210.3
Net-(C235-Pad1): C235.1 U209.5
Net-(C238-Pad1): C238.1 D203.2 L205.2
Net-(C238-Pad2): C238.2 L205.4 U209.1
Net-(C242-Pad1): C242.1 C243.1 C244.1 L205.3 R223.1 U211.2
Net-(C242-Pad2): C242.2 R223.2 R224.1 U209.3
Net-(C401-Pad1): C401.1 U401.5 Y401.2
Net-(C403-Pad1): C403.1 C406.1 U401.6
Net-(C404-Pad1): C404.1 U401.4 Y401.1
Net-(C414-Pad1): C414.1 R420.2 R421.2
Net-(C501-Pad2): C501.2 Q501.1 R501.1
Net-(C511-Pad1): C511.1 R509.1 R510.1 U508.3
Net-(C514-Pad1): C514.1 C515.1 R514.2 U501.15 U509.6
Net-(C514-Pad2): C514.2 C515.2 U501.3 U501.7 U501.10 U501.14 U509.2
Net-(C521-Pad1): C521.1 D504.1 D505.2 R520.1 R523.2 U511.6
Net-(C521-Pad2): C521.2 D504.2 D505.1 R514.1 R517.2 U511.2
Net-(C522-Pad1): C522.1 U511.1
Net-(C522-Pad2): C522.2 U511.8
Net-(C524-Pad2): C524.2 R524.1 U513.4
Net-(C610-Pad2): C610.2 R620.1 R621.2
